# KiCad board AMC_FMC_Carrier-PcbDoc.kicad_pcb (continued)
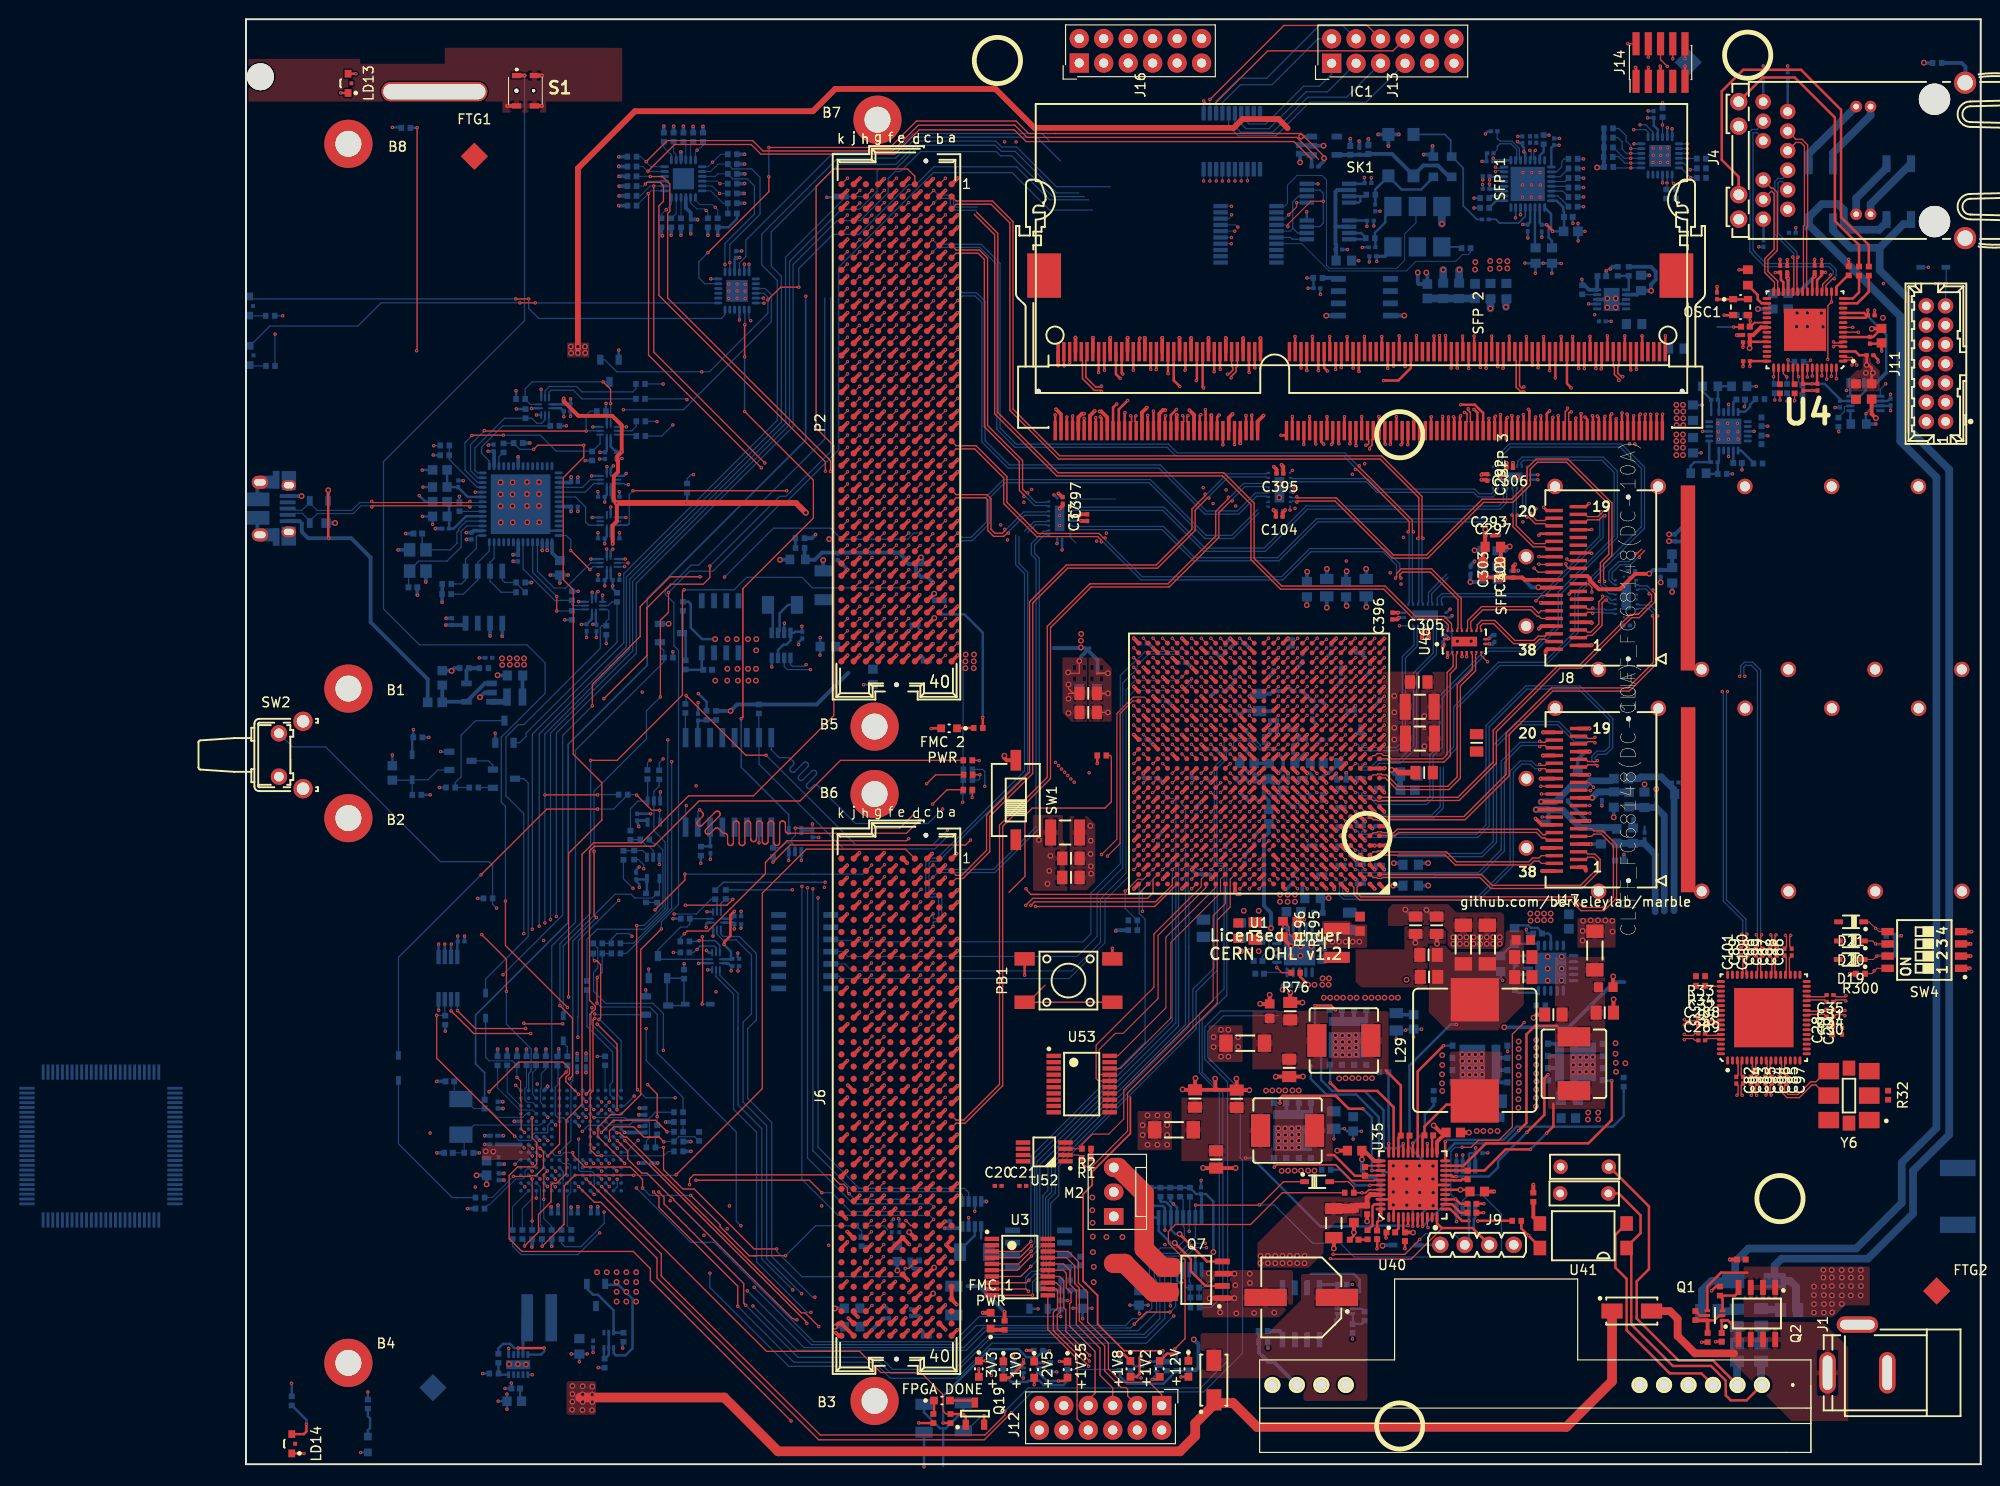
[diagram p0: board, top side]
## Routing (per net, layer and track width the routed paths; a pad name or vN(x,y) marks a point on that pad's centre or on a via; arc(x,y) is an arc through that point) (continued)
/SDRAM/DDR3_A5: length 27.9
  Top w0.11: U1.AC12 v1(107.12,82.73)
  Top w0.254: v1(113.41,105.93) 113.37,105.98 SK1.91
  In7.Cu w0.135: v1(107.12,82.73) 107.67,83.28 107.67,96.85 112.29,101.48 112.29,104.81 v1(113.41,105.93)
/SDRAM/DDR3_A6: length 36.5
  Top w0.11: U1.AB11 v1(108.12,81.73)
  Top w0.254: v1(113.07,113.66) 113.07,113.66 SK1.90
  In2.Cu w0.135: v1(108.12,81.73) 108.51,82.12 108.51,97.06 113.07,101.62 v1(113.07,113.66)
/SDRAM/DDR3_A7: length 36.6
  Top w0.11: U1.AC11 v1(108.12,82.73)
  Top w0.254: v1(112.21,113.48) 111.87,113.82 SK1.86
  In7.Cu w0.135: v1(112.21,113.48) 112.85,112.84 112.85,108.58 113.75,107.67 113.75,105.29 112.95,104.49 112.95,101.23 108.46,96.75 108.46,83.07 v1(108.12,82.73)
/SDRAM/DDR3_A8: length 25
  Top w0.11: 105.6,85.23 v1(106.1,85.73)
  Top w0.254: SK1.89 112.77,106 v1(112.63,105.87)
  In4.Cu w0.135: v1(106.1,85.73) 106.1,94.18 112.24,100.32 112.24,104.7 112.63,105.1 v1(112.63,105.87)
/SDRAM/DDR3_A9: length 26
  Top w0.11: 105.6,84.23 106.1,84.73
  Top w0.254: v1(111.82,105.9) 111.57,106.15 SK1.85
  In4.Cu w0.135: v1(106.13,84.76) 105.76,85.13 105.76,94.42 111.59,100.26 111.59,104.82 111.82,105.04 v1(111.82,105.9)
/SDRAM/DDR3_A10: length 27.5
  Top w0.11: 108.61,84.23 v1(109.11,84.73)
  Top w0.254: v1(118.22,105.9) 118.17,105.95 SK1.107
  In4.Cu w0.135: v1(109.11,84.73) 108.86,84.73 108.78,84.82 108.78,92.47 110.03,93.73 110.03,95.53 118.22,103.72 v1(118.22,105.9)
/SDRAM/DDR3_A11: length 34.2
  Top w0.11: U1.AD11 v1(108.12,83.73)
  Top w0.254: v1(111.27,113.53) 111.27,113.54 SK1.84
  In2.Cu w0.135: v1(108.12,83.73) 108.12,83.98 107.77,84.33 107.77,85.58 107.78,85.58 107.78,86.04 108,86.26 108,97.59 111.4,100.99 111.4,107.01 111.27,107.14 v1(111.27,113.53)
/SDRAM/DDR3_A12: length 28.9
  Top w0.11: U1.AA12 v1(107.12,80.73)
  Top w0.254: SK1.83 110.97,105.94 v1(111,105.91)
  In2.Cu w0.135: v1(111,105.91) 111,104.89 108.01,101.91 108.01,100.07 107.49,99.54 107.49,98.24 107.49,98.23 107.49,81.35 107.12,80.98 v1(107.12,80.73)
/SDRAM/DDR3_A13: length 27.7
  Top w0.11: 110.63,84.21 v1(111.13,84.71)
  Top w0.254: SK1.119 v1(121.77,105.92)
  In7.Cu w0.135: v1(111.13,84.71) 111.13,85.17 111.67,85.7 111.67,87.06 112.99,88.38 113,96.68 121.77,105.44 v1(121.77,105.92)
/SDRAM/DDR3_A14: length 36.4
  Top w0.11: U1.AB12 v1(107.12,81.73)
  Top w0.254: SK1.80 110.07,113.54 v1(110.08,113.53)
  In2.Cu w0.135: v1(107.12,81.73) 106.74,82.11 106.74,85.86 107.03,86.15 107.03,99.83 106.74,100.12 106.74,102.17 110.11,105.53 110.11,108.51 109.91,108.71 109.91,113.35 v1(110.08,113.53)
/SDRAM/DDR3_A15: length 34.1
  Top w0.11: U1.AD13 v1(106.12,83.73)
  Top w0.254: SK1.78 109.47,113.8 v1(109.47,113.8)
  In2.Cu w0.135: v1(106.12,83.73) 106.48,84.09 106.48,98.41 106.21,98.68 106.21,101.97 109.42,105.18 109.42,113.5 109.47,113.55 v1(109.47,113.8)
/SDRAM/DDR3_BA0: length 26.3
  Top w0.102: U1.AF10 v1(109.12,85.73)
  Top w0.254: v1(118.74,105.88) 118.77,105.91 SK1.109
  In4.Cu w0.135: v1(118.74,105.88) 118.74,103.51 110.63,95.39 110.63,92.46 109.12,90.95 v1(109.12,85.73)
/SDRAM/DDR3_BA1: length 36.3
  Top w0.11: U1.AD8 v1(111.12,83.73)
  Top w0.254: v1(118.46,113.77) 118.47,113.77 SK1.108
  In2.Cu w0.135: v1(111.12,83.73) 110.79,84.06 110.79,88.09 111.5,88.8 111.5,95.34 119.09,102.93 119.09,106.06 118.93,106.22 118.93,113.3 v1(118.46,113.77)
/SDRAM/DDR3_BA2: length 27.5
  Top w0.11: U1.AC13 v1(106.12,82.73)
  Top w0.254: v1(109.76,105.86) 109.77,105.86 SK1.79
  In4.Cu w0.135: v1(109.76,105.86) 109.76,104.51 109.88,104.39 109.88,99.3 105.34,94.76 105.34,84 106.12,83.22 v1(106.12,82.73)
/SDRAM/DDR3_DM0: length 30.9
  Top w0.11: U1.AF17 v1(101.12,85.73)
  Top w0.254: SK1.11 86.97,108.57 v1(86.97,108.58)
  In7.Cu w0.135: v1(101.12,85.73) 101.12,94.83 87.37,108.58 v1(86.97,108.58)
/SDRAM/DDR3_DM1: length 42.8
  Top w0.11: U1.W15 v1(103.12,78.73)
  Top w0.254: v1(92.07,113.57) 92.07,113.57 SK1.28
  In9.Cu w0.135: 102.78,85.9 102.78,79.07 v1(103.12,78.73) ; 102.78,85.9 102.78,92.97 96.19,99.56 96.19,110.67 93.29,113.57 v1(92.07,113.57) 92.03,113.57 ; 102.78,85.9 102.77,85.91
/SDRAM/DDR3_DM2: length 36.5
  Top w0.11: U1.AC19 v1(99.12,82.73)
  Top w0.254: SK1.46 97.47,113.59 97.41,113.53
  In2.Cu w0.135: v1(99.12,82.73) 99.46,83.07 99.46,93.33 95.12,97.68 95.12,107.05 96.16,108.09 96.16,112.3 v1(97.44,113.58)
/SDRAM/DDR3_DM3: length 27.8
  Top w0.11: U1.AA15 v1(103.12,80.73)
  Top w0.254: SK1.63 102.57,105.86 v1(102.58,105.86)
  In2.Cu w0.135: v1(103.12,80.73) 103.49,81.1 103.49,97.22 103.2,97.51 103.2,105.12 102.58,105.74 v1(102.58,105.86)
/SDRAM/DDR3_DM4: length 39.3
  Top w0.2: U1.AC3 v1(116.12,82.73)
  Top w0.254: v1(126.87,113.76) 126.87,113.76 SK1.136
  In4.Cu w0.135: v1(116.12,82.73) 116.47,83.08 116.47,85.58 118.2,87.3 118.2,93.84 119.16,94.81 119.16,97.41 128.54,106.79 128.54,112.09 v1(126.87,113.76)
/SDRAM/DDR3_DM5: length 35.8
  Top w0.2: v1(115.15,83.73) 115.12,83.73 U1.AD4
  Top w0.254: v1(132.01,108.73) 131.97,108.68 SK1.153
  In7.Cu w0.135: v1(132.01,108.73) 124.7,101.41 124.7,94.38 121.19,90.87 121.19,87.04 118.54,84.38 115.8,84.38 v1(115.15,83.73)
/SDRAM/DDR3_DM6: length 47.2
  Top w0.2: U1.W1 v1(118.12,78.73)
  Top w0.254: v1(137.5,111.74) 137.07,112.17 SK1.170
  In7.Cu w0.135: v1(118.12,78.73) 120.14,78.73 126.65,85.24 126.65,89.12 129.66,92.12 129.66,98.88 133.69,102.91 133.69,102.94 133.87,103.12 133.89,103.12 137.5,106.72 137.5,108.72 137.86,109.08 137.86,111.38 v1(137.5,111.74)
/SDRAM/DDR3_DM7: length 53.2
  Top w0.2: U1.U7 v1(112.12,76.73)
  Top w0.254: v1(142.16,108.54) 142.16,107.3 SK1.187
  In4.Cu w0.135: 140.94,105.04 137.92,102.02 137.92,99.52 134.33,95.93 131.01,95.93 129.6,94.52 129.6,87.87 127.85,86.12 127.85,84.42 123.12,79.7 122.78,79.7 120.28,77.19 118.72,77.19 118.58,77.33 118.34,77.33 118.28,77.39 113.95,77.39 113.85,77.49 113.37,77.49 112.95,77.07 112.46,77.07 v1(112.12,76.73) ; 140.94,105.04 140.99,105.1 ; 140.94,105.04 142.16,106.26 v1(142.16,108.54)
/SDRAM/DDR3_DQ0: length 30.5
  Top w0.11: U1.AF20 v1(98.12,85.73)
  Top w0.254: v1(85.18,108.7) 85.17,108.69 SK1.5
  In7.Cu w0.135: v1(98.12,85.73) 98.12,93.21 91.91,99.42 91.91,101.97 v1(85.18,108.7)
/SDRAM/DDR3_DQ1: length 30.8
  Top w0.11: U1.AF19 v1(99.12,85.73)
  Top w0.254: v1(85.77,108.82) 85.77,108.81 SK1.7
  In7.Cu w0.135: v1(85.77,108.82) 92.52,102.07 92.52,99.9 99.12,93.3 v1(99.12,85.73)
/SDRAM/DDR3_DQ2: length 31.8
  Top w0.11: U1.AE17 v1(101.12,84.73)
  Top w0.254: v1(88.17,108.65) 88.17,108.65 SK1.15
  In7.Cu w0.135: v1(88.17,108.65) 101.65,95.18 101.65,85.26 v1(101.12,84.73)
/SDRAM/DDR3_DQ3: length 32.2
  Top w0.11: U1.AE15 v1(103.12,84.73)
  Top w0.254: v1(88.64,108.73) 88.77,108.6 SK1.17
  In7.Cu w0.135: v1(103.12,84.73) 102.61,85.24 102.61,94.73 88.64,108.71 v1(88.64,108.73)
/SDRAM/DDR3_DQ4: length 47.4
  Top w0.11: U1.AD16 v1(102.12,83.73)
  Top w0.254: SK1.4 84.87,114.05 v1(84.91,114.01)
  In4.Cu w0.135: v1(102.12,83.73) 102.46,84.07 102.46,97.23 100.78,98.91 100.78,103.42 99.82,104.38 99.82,105.57 99.82,105.57 99.82,109.25 99.92,109.35 99.92,111.66 97.57,114.01 v1(84.91,114.01)
/SDRAM/DDR3_DQ5: length 47.3
  Top w0.11: U1.AD15 v1(103.12,83.73)
  Top w0.135: SK1.6 v1(85.47,114.36)
  In4.Cu w0.135: v1(103.12,83.73) 102.78,84.07 102.78,97.62 101.1,99.29 101.1,103.77 100.49,104.38 100.49,108.69 100.58,108.78 100.58,111.94 98.17,114.35 85.47,114.35 v1(85.47,114.36)
/SDRAM/DDR3_DQ6: length 36.5
  Top w0.11: U1.AF15 v1(103.12,85.73)
  Top w0.254: v1(88.47,113.34) 88.47,113.34 SK1.16
  In7.Cu w0.135: v1(88.47,113.34) 89.94,111.86 89.94,108.18 103.12,95 v1(103.12,85.73)
/SDRAM/DDR3_DQ7: length 36.7
  Top w0.11: U1.AF14 v1(104.12,85.73)
  Top w0.254: v1(89.07,113.57) 89.07,113.57 SK1.18
  In7.Cu w0.135: v1(89.07,113.57) 90.85,111.79 90.85,108.08 91.63,107.31 91.69,107.23 104.12,94.8 v1(104.12,85.73)
/SDRAM/DDR3_DQ8: length 42.3
  Top w0.11: U1.V17 v1(101.12,77.73)
  Top w0.254: SK1.21 89.97,109.68 v1(90.34,110.06)
  In9.Cu w0.135: v1(90.34,110.06) 93.6,110.06 93.81,109.85 93.81,109.17 93.94,109.05 93.94,98.1 100.78,91.26 100.78,78.07 v1(101.12,77.73)
/SDRAM/DDR3_DQ9: length 40.6
  Top w0.11: U1.Y17 v1(101.12,79.73)
  Top w0.254: SK1.23 90.57,109.51 v1(91.49,110.43)
  In9.Cu w0.135: 101.48,87.44 101.48,91.61 94.52,98.57 94.52,109.74 93.84,110.43 v1(91.49,110.43) ; 101.48,87.44 101.48,80.58 101.12,80.22 v1(101.12,79.73) ; 101.48,87.44 101.48,87.48
/SDRAM/DDR3_DQ10: length 36.5
  Top w0.11: U1.V18 v1(100.12,77.73)
  Top w0.254: SK1.33 93.57,108.87 v1(93.56,108.88)
  In9.Cu w0.135: v1(93.56,108.88) 93.56,97.82 100.46,90.91 100.46,78.07 v1(100.12,77.73)
/SDRAM/DDR3_DQ11: length 36.7
  Top w0.11: U1.V19 v1(99.12,77.73)
  Top w0.254: SK1.35 94.17,109.31 v1(94.16,109.32)
  In4.Cu w0.135: v1(99.12,77.73) 99.46,78.07 99.46,81.88 97.47,83.87 97.47,93.08 94.22,96.33 94.22,108.56 94.16,108.62 v1(94.16,109.32)
/SDRAM/DDR3_DQ12: length 44.3
  Top w0.11: v1(102.12,77.73) 102.12,77.73 U1.V16
  Top w0.254: v1(90.7,112.73) 90.27,113.16 SK1.22
  In9.Cu w0.135: v1(90.7,112.73) 92.21,112.73 94.95,109.99 94.95,98.95 101.78,92.13 101.78,78.07 v1(102.12,77.73)
/SDRAM/DDR3_DQ13: length 43.4
  Top w0.11: U1.W16 102.12,78.73 v1(102.12,78.73)
  Top w0.254: v1(90.98,113.17) 90.87,113.28 SK1.24
  In9.Cu w0.135: 102.47,86.1 102.49,86.11 ; 102.47,86.1 102.47,79.09 v1(102.12,78.73) ; 102.47,86.1 102.47,92.41 95.65,99.23 95.65,108.59 95.77,108.7 95.77,109.89 92.49,113.17 v1(90.98,113.17)
/SDRAM/DDR3_DQ14: length 46.1
  Top w0.11: U1.V14 v1(104.12,77.73)
  Top w0.254: v1(93.88,113.67) 93.87,113.67 SK1.34
  In9.Cu w0.135: 104.67,86.34 104.67,86.41 ; 104.67,86.34 104.67,93.08 97.71,100.04 97.71,105.04 99.42,106.75 99.42,109.12 99.16,109.37 99.16,110.39 95.56,113.99 94.2,113.99 v1(93.88,113.67) ; 104.67,86.34 104.67,78.28 v1(104.12,77.73)
/SDRAM/DDR3_DQ15: length 42.9
  Top w0.11: U1.W14 v1(104.12,78.73)
  Top w0.254: SK1.36 94.47,113.66 v1(94.45,113.64)
  In9.Cu w0.135: v1(94.45,113.64) 98.73,109.36 98.73,106.94 97.09,105.3 97.09,99.56 103.72,92.93 103.72,86.54 ; 103.72,86.54 103.72,86.62 ; 103.72,86.54 103.72,79.38 104.12,78.98 v1(104.12,78.73)
/SDRAM/DDR3_DQ16: length 33.1
  Top w0.11: U1.AA20 98.12,80.73 v1(98.12,80.73)
  Top w0.254: v1(95.41,108.83) 95.37,108.79 SK1.39
  In2.Cu w0.135: v1(95.41,108.83) 93.81,107.23 93.81,96.37 97.25,92.93 97.25,88.98 98.46,87.77 98.46,81.08 v1(98.12,80.73)
/SDRAM/DDR3_DQ17: length 32.1
  Top w0.11: U1.AD19 v1(99.12,83.73)
  Top w0.254: v1(96.54,109.49) 95.97,108.92 SK1.41
  In4.Cu w0.135: v1(96.54,109.49) 96.92,109.87 97.94,109.87 98.23,109.58 98.23,108.53 98.11,108.41 98.11,103.29 97.71,102.89 97.71,98.82 99.58,96.95 99.58,84.19 v1(99.12,83.73)
/SDRAM/DDR3_DQ18: length 33
  Top w0.11: U1.AB17 v1(101.12,81.73)
  Top w0.254: SK1.51 98.97,108.85 v1(99.07,108.95)
  In2.Cu w0.135: v1(99.07,108.95) 99.07,106 96.07,103 96.07,98.36 100.46,93.97 100.46,82.39 v1(101.12,81.73)
/SDRAM/DDR3_DQ19: length 32.6
  Top w0.11: U1.AC17 v1(101.12,82.73)
  Top w0.254: v1(99.55,109.47) 99.57,109.45 SK1.53
  In2.Cu w0.135: v1(101.12,82.73) 100.78,83.07 100.78,94.83 96.77,98.83 96.77,102.51 99.55,105.29 v1(99.55,109.47)
/SDRAM/DDR3_DQ20: length 37.9
  Top w0.11: U1.AA19 v1(99.12,80.73)
  Top w0.254: SK1.40 95.67,113.22 v1(95.68,113.21)
  In2.Cu w0.135: v1(99.12,80.73) 98.78,81.07 98.78,92.45 94.59,96.64 94.59,107.52 95.78,108.71 95.78,113.11 v1(95.68,113.21)
/SDRAM/DDR3_DQ21: length 38.5
  Top w0.11: U1.AB19 v1(99.12,81.73)
  Top w0.254: v1(96.9,111.88) 96.26,112.51 96.26,114.24 96.27,114.24 SK1.42
  In2.Cu w0.135: v1(99.12,81.73) 99.78,82.39 99.78,93.85 95.63,98 95.63,103.7 98.42,106.49 98.42,110.35 v1(96.9,111.88)
/SDRAM/DDR3_DQ22: length 34
  Top w0.11: U1.AD18 v1(100.12,83.73)
  Top w0.254: v1(98.6,112.49) 98.67,112.56 SK1.50
  In4.Cu w0.135: v1(100.12,83.73) 100.47,84.08 100.47,97.13 98.07,99.53 98.07,102.5 98.62,103.06 98.62,108.41 98.72,108.5 98.72,112.13 98.6,112.24 v1(98.6,112.49)
/SDRAM/DDR3_DQ23: length 35.3
  Top w0.11: U1.AC18 v1(100.12,82.73)
  Top w0.254: SK1.52 99.27,111.82 v1(99.36,111.73)
  In4.Cu w0.135: v1(99.36,111.73) 99.19,111.55 99.19,109.33 99.42,109.1 99.42,108.79 99.36,108.73 99.36,102.91 98.51,102.06 98.51,99.69 100.77,97.42 100.77,83.38 v1(100.12,82.73)
/SDRAM/DDR3_DQ24: length 34.7
  Top w0.11: U1.AA18 v1(100.12,80.73)
  Top w0.254: v1(100.97,108.92) 100.77,108.71 SK1.57
  In4.Cu w0.135: v1(100.97,108.92) 100.97,104.88 103.57,102.28 104.07,102.28 104.1,102.25 104.1,96.09 103.46,95.46 103.46,82.58 102.27,81.39 100.78,81.39 v1(100.12,80.73)
/SDRAM/DDR3_DQ25: length 29.2
  Top w0.11: U1.AB16 v1(102.12,81.73)
  Top w0.254: SK1.59 v1(101.37,105.82)
  In2.Cu w0.135: v1(102.12,81.73) 101.78,82.07 101.78,96.03 98.26,99.55 98.26,102.71 v1(101.37,105.82)
/SDRAM/DDR3_DQ26: length 30.6
  Top w0.11: U1.AA14 v1(104.12,80.73)
  Top w0.254: v1(103.76,108.87) 103.77,108.86 SK1.67
  In2.Cu w0.135: v1(103.76,108.87) 103.77,108.85 103.77,81.59 104.12,81.24 v1(104.12,80.73)
/SDRAM/DDR3_DQ27: length 27.9
  Top w0.11: U1.AD14 v1(104.12,83.73)
  Top w0.254: SK1.69 104.37,108.82 104.37,108.82 v1(104.37,108.92)
  In2.Cu w0.135: v1(104.37,108.92) 104.19,108.74 104.19,86.44 104.46,86.16 104.46,84.07 v1(104.12,83.73)
/SDRAM/DDR3_DQ28: length 36.8
  Top w0.11: U1.AB15 v1(103.12,81.73)
  Top w0.254: SK1.56 100.47,113.43 v1(100.45,113.41)
  In4.Cu w0.135: v1(100.45,113.41) 102.02,111.85 102.02,105.49 103.45,104.14 104.51,103.09 104.51,95.8 103.74,95.04 103.74,82.35 v1(103.12,81.73)
/SDRAM/DDR3_DQ29: length 38.9
  Top w0.11: U1.AA17 v1(101.12,80.73)
  Top w0.254: v1(101.1,113.67) 101.07,113.7 SK1.58
  In2.Cu w0.135: v1(101.12,80.73) 101.46,81.07 101.46,95.21 97.37,99.3 97.37,102.42 100.56,105.61 100.56,112.88 101.1,113.42 v1(101.1,113.67)
/SDRAM/DDR3_DQ30: length 34.1
  Top w0.11: U1.AC14 v1(104.12,82.73)
  Top w0.254: v1(104.1,113.34) 104.07,113.37 SK1.68
  In2.Cu w0.135: v1(104.1,113.34) 104.76,112.68 104.76,86.67 104.85,86.58 104.85,83.46 v1(104.12,82.73)
/SDRAM/DDR3_DQ31: length 35.1
  Top w0.11: U1.AB14 v1(104.12,81.73)
  Top w0.254: SK1.70 104.67,113.82 v1(104.68,113.81)
  In2.Cu w0.135: v1(104.68,113.81) 105.19,113.3 105.19,82.8 v1(104.12,81.73)
/SDRAM/DDR3_DQ32: length 32.2
  Top w0.2: U1.AD6 v1(113.12,83.73)
  Top w0.254: SK1.129 124.77,108.71 v1(124.77,108.72)
  In4.Cu w0.135: v1(124.77,108.72) 124.77,106.82 114.74,96.78 114.74,91.11 113.01,89.39 113.01,86.34 112.78,86.1 112.78,84.07 v1(113.12,83.73)
/SDRAM/DDR3_DQ33: length 34.2
  Top w0.2: U1.AB6 v1(113.12,81.73)
  Top w0.254: v1(125.29,108.73) 125.37,108.66 SK1.131
  In4.Cu w0.135: v1(113.12,81.73) 113.47,82.08 113.47,89.32 115.26,91.11 115.26,96.66 125.29,106.69 v1(125.29,108.73)
/SDRAM/DDR3_DQ34: length 40.8
  Top w0.2: U1.Y6 v1(113.12,79.73)
  Top w0.254: SK1.141 128.37,109.12 127.51,109.99 v1(126.04,109.99)
  In4.Cu w0.135: v1(126.04,109.99) 125.64,109.58 125.64,106.34 115.76,96.46 115.76,89.74 114.67,88.65 113.75,87.71 113.75,84.87 113.73,84.85 113.73,80.34 v1(113.12,79.73)
/SDRAM/DDR3_DQ35: length 33.8
  Top w0.2: v1(115.15,82.73) 115.12,82.73 U1.AC4
  Top w0.254: SK1.143 128.97,108.56 v1(128.97,108.56)
  In7.Cu w0.135: v1(128.97,108.56) 128.93,108.52 128.93,107.03 123.62,101.72 123.62,93.98 119.21,89.57 119.21,88.31 115.92,85.02 115.92,85.01 114.8,83.89 114.8,83.08 v1(115.15,82.73)
/SDRAM/DDR3_DQ36: length 39
  Top w0.24: U1.AC6 v1(113.12,82.73)
  Top w0.254: v1(125.04,113.8) 125.07,113.82 SK1.130
  In4.Cu w0.135: v1(113.12,82.73) 112.46,83.39 112.46,88.54 112.67,88.74 112.66,89.72 113.7,90.76 113.7,96.56 123.68,106.54 123.68,109.87 125.04,111.23 v1(125.04,113.8)
/SDRAM/DDR3_DQ37: length 40.8
  Top w0.2: U1.AB4 115.2,81.81 v1(115.2,81.84)
  Top w0.254: v1(125.69,113.8) 125.67,113.82 SK1.132
  In4.Cu w0.135: v1(115.2,81.84) 115.78,82.42 115.78,85.94 117.69,87.85 117.69,94.16 118.75,95.23 118.75,97.51 127.98,106.74 127.98,111.51 v1(125.69,113.8)
/SDRAM/DDR3_DQ38: length 41.9
  Top w0.2: U1.AA4 v1(115.12,80.73)
  Top w0.254: v1(128.08,113.86) 128.07,113.87 SK1.140
  In4.Cu w0.135: v1(128.08,113.86) 129.23,112.7 129.23,108.86 129.31,108.78 129.31,108.63 129.35,108.59 129.35,106.85 123.41,100.91 123.41,93.95 118.79,89.33 118.79,86.89 116.78,84.88 116.78,82.9 115.12,81.24 v1(115.12,80.73)
/SDRAM/DDR3_DQ39: length 44.4
  Top w0.2: U1.Y5 v1(114.12,79.73)
  Top w0.254: v1(128.67,113.77) 128.67,113.78 SK1.142
  In4.Cu w0.135: v1(114.12,79.73) 114.63,79.73 117.66,82.76 117.66,84.78 118.15,85.27 118.17,85.27 119.17,86.27 119.17,89.04 124.09,93.96 124.09,101.01 130.54,107.46 130.54,111.9 v1(128.67,113.77)
/SDRAM/DDR3_DQ40: length 31
  Top w0.2: U1.AF2 v1(117.12,85.73)
  Top w0.254: SK1.147 130.17,108.95 v1(130.17,108.96)
  In2.Cu w0.135: v1(117.12,85.73) 117.12,87.2 124.9,94.99 124.9,103.44 130.17,108.71 v1(130.17,108.96)
/SDRAM/DDR3_DQ41: length 31.8
  Top w0.2: U1.AE2 v1(117.12,84.73)
  Top w0.254: SK1.149 130.77,108.55 130.88,108.66 v1(130.9,108.66)
  In2.Cu w0.135: v1(130.9,108.66) 125.42,103.19 125.42,94.94 117.46,86.98 117.46,85.07 v1(117.12,84.73)
/SDRAM/DDR3_DQ42: length 34.7
  Top w0.2: U1.AE1 v1(118.12,84.73)
  Top w0.254: SK1.157 133.17,109.39 v1(133.06,109.5)
  In4.Cu w0.135: v1(118.12,84.73) 119.53,84.73 120.67,85.87 120.67,87.44 124.56,91.33 124.56,100.38 133.06,108.88 v1(133.06,109.5)
/SDRAM/DDR3_DQ43: length 34.5
  Top w0.2: U1.AD1 v1(118.12,83.73)
  Top w0.254: v1(133.8,108.7) 133.77,108.67 SK1.159
  In4.Cu w0.135: v1(133.8,108.7) 130.06,104.96 129.93,104.96 125.04,100.07 125.04,91 121.21,87.16 121.21,85.37 119.74,83.91 118.29,83.91 v1(118.12,83.73)
/SDRAM/DDR3_DQ44: length 38
  Top w0.2: U1.AE5 114.08,84.69 v1(114.08,84.73)
  Top w0.254: v1(129.88,113.93) 129.87,113.95 SK1.146
  In2.Cu w0.135: v1(114.08,84.73) 114.63,85.28 114.63,88.06 117.42,90.86 117.42,94.01 118.25,94.84 118.25,98.74 127.61,108.09 127.61,108.64 127.77,108.8 127.77,111.83 v1(129.88,113.93)
/SDRAM/DDR3_DQ45: length 39.3
  Top w0.2: U1.AE6 v1(113.12,84.73)
  Top w0.254: SK1.148 130.47,113.81 v1(130.43,113.77)
  In7.Cu w0.135: v1(130.43,113.77) 130.25,113.59 129.14,113.59 125.64,110.09 125.64,108.57 117.04,99.96 117.04,91.24 113.47,87.67 113.47,85.08 v1(113.12,84.73)
/SDRAM/DDR3_DQ46: length 37.9
  Top w0.2: U1.AF3 v1(116.12,85.73)
  Top w0.254: v1(133.46,114.07) 133.47,114.08 SK1.158
  In2.Cu w0.135: v1(116.12,85.73) 116.12,87.64 118.32,89.84 118.32,93.53 119.15,94.35 119.15,99.08 127.97,107.9 127.97,108.4 128.17,108.6 128.17,109.2 133.04,114.07 v1(133.46,114.07)
/SDRAM/DDR3_DQ47: length 39.3
  Top w0.2: v1(116.13,84.73) 116.11,84.73 U1.AE3
  Top w0.254: SK1.160 134.07,113.82 v1(134.07,113.82)
  In2.Cu w0.135: v1(134.07,113.82) 133.89,113.64 133.39,113.64 128.61,108.86 128.61,107.95 124.28,103.62 124.28,95.1 118.13,88.95 118.03,88.95 116.58,87.51 116.58,85.18 v1(116.13,84.73)
/SDRAM/DDR3_DQ48: length 42.9
  Top w0.2: U1.AA3 v1(116.12,80.73)
  Top w0.254: SK1.163 134.97,109.04 v1(135.26,109.34)
  In4.Cu w0.135: v1(135.26,109.34) 135.09,109.16 135.09,105.01 132.09,102.01 131.24,102.01 126.84,97.62 126.84,92.76 127.51,92.1 127.51,89.71 123.42,85.61 123.42,83.94 120.56,81.08 116.47,81.08 v1(116.12,80.73)
  In7.Cu w0.112: v1(116.12,80.73) 116.12,80.75
/SDRAM/DDR3_DQ49: length 38
  Top w0.24: U1.AC2 v1(117.12,82.73)
  Top w0.254: v1(135.61,108.68) 135.57,108.64 SK1.165
  In7.Cu w0.135: v1(117.12,82.73) 117.47,83.08 120.64,83.08 123.76,86.2 123.76,90.22 126.86,93.32 126.86,100.28 130.39,103.81 130.39,104.14 134.92,108.68 v1(135.61,108.68)
/SDRAM/DDR3_DQ50: length 45.1
  Top w0.2: U1.V2 v1(117.12,77.73)
  Top w0.254: SK1.175 138.53,107.33 v1(138.53,109.07)
  In2.Cu w0.135: 134.83,97.78 134.83,97.98 ; 134.83,97.78 134.83,86.54 127.73,79.44 122.12,79.48 121.21,78.57 118.97,78.57 118.48,78.07 117.46,78.07 v1(117.12,77.73) ; 134.83,97.78 134.83,98.19 138.54,101.89 138.54,105.99
/SDRAM/DDR3_DQ51: length 44.1
  Top w0.2: U1.V1 v1(118.12,77.73)
  Top w0.254: v1(138.94,108.7) 139.17,108.47 SK1.177
  In2.Cu w0.135: 139.18,105.67 139.18,101.65 135.24,97.72 135.24,86.05 127.78,78.59 121.84,78.59 120.84,77.59 118.71,77.59 118.57,77.73 v1(118.12,77.73)
/SDRAM/DDR3_DQ52: length 43.7
  Top w0.2: U1.AB2 v1(117.12,81.73)
  Top w0.254: SK1.164 135.27,113.53 v1(135.26,113.53)
  In4.Cu w0.135: v1(135.26,113.53) 134.72,112.98 134.72,108.41 130.67,104.36 130.6,104.36 130.39,104.14 130.39,103.33 126.12,99.06 126.12,91.02 123.83,88.74 123.83,86.97 122.5,85.64 122.5,84.65 119.91,82.06 119.23,82.06 ; 119.23,82.06 117.45,82.06 v1(117.12,81.73) ; 119.23,82.06 119.47,82.06
/SDRAM/DDR3_DQ53: length 48.2
  Top w0.2: U1.Y3 v1(116.12,79.73)
  Top w0.254: v1(135.86,112.77) 135.87,112.77 SK1.166
  In4.Cu w0.135: v1(116.12,79.73) 116.62,80.23 118.56,80.23 118.77,80.43 120.39,80.43 123.71,83.75 123.71,85.25 127.98,89.51 127.98,97.79 131.63,101.45 132.19,101.45 133.88,103.14 134.3,103.14 136.93,105.78 136.93,109.13 135.86,110.2 v1(135.86,112.77)
/SDRAM/DDR3_DQ54: length 46.3
  Top w0.2: U1.Y2 v1(117.12,79.73)
  Top w0.254: SK1.174 138.27,113.75 v1(138.27,113.74)
  In2.Cu w0.135: v1(138.27,113.74) 138.1,113.57 138.1,108.99 138.34,108.75 138.34,108.44 138.32,108.41 138.32,107.81 133.89,103.38 133.78,103.38 133.45,103.05 133.45,102.94 129.56,99.05 129.56,91.35 123.54,85.33 123.54,84.72 119.91,81.09 118.97,81.09 117.61,79.73 v1(117.12,79.73)
/SDRAM/DDR3_DQ55: length 46.7
  Top w0.2: U1.Y1 v1(118.12,79.73)
  Top w0.254: v1(138.87,113.73) 138.87,113.74 SK1.176
  In2.Cu w0.135: v1(118.12,79.73) 118.12,79.86 118.91,80.65 119.8,80.65 ; v1(138.87,113.73) 139.28,113.32 139.28,108.17 134.25,103.14 133.88,103.14 133.69,102.95 133.69,102.58 130.38,99.27 130.38,98.28 130.35,98.25 130.35,97.92 130.38,97.89 130.38,91 130.11,90.73 128.94,89.58 125.13,85.77 125.13,85.27 120.51,80.65 119.8,80.65 ; 119.8,80.65 119.89,80.65
/SDRAM/DDR3_DQ56: length 45.3
  Top w0.2: U1.W3 v1(116.12,78.73)
  Top w0.254: v1(140.22,108.8) 140.37,108.65 SK1.181
  In4.Cu w0.135: v1(140.22,108.8) 139.98,108.56 139.98,107.23 133.78,101.03 132.06,101.03 129.98,98.95 129.98,97.73 128.28,96.02 128.28,88.71 125.23,85.66 125.23,85.37 124.32,84.46 124.32,83.57 119.82,79.07 116.46,79.07 v1(116.12,78.73)
/SDRAM/DDR3_DQ57: length 49.6
  Top w0.2: U1.V4 v1(115.12,77.73)
  Top w0.254: v1(141.01,108.78) 140.97,108.74 SK1.183
  In4.Cu w0.135: v1(115.12,77.73) 115.37,77.73 115.71,78.07 118.29,78.07 118.77,77.59 120.09,77.59 122.69,80.19 122.98,80.19 125.75,82.96 125.75,83.75 125.84,83.83 125.84,84 126.81,84.97 127.35,84.97 127.61,85.23 127.61,86.48 129.11,87.98 129.11,94.84 130.71,96.45 133.66,96.45 137.49,100.27 137.49,102.6 141.01,106.12 v1(141.01,108.78)
/SDRAM/DDR3_DQ58: length 48.1
  Top w0.2: U1.U2 v1(117.12,76.73)
  Top w0.254: SK1.191 143.37,108.94 v1(143.3,109.01)
  In2.Cu w0.135: v1(117.12,76.73) 117.67,77.28 120.98,77.28 121.83,78.13 127.95,78.13 136.06,86.25 136.06,98.18 143.56,105.67 v1(143.56,105.92)
/SDRAM/DDR3_DQ59: length 48
  Top w0.2: U1.U1 v1(118.12,76.73)
  Top w0.254: v1(143.99,108.83) 143.97,108.81 SK1.193
  In2.Cu w0.135: v1(118.12,76.73) 118.32,76.93 128.18,76.93 136.57,85.32 136.57,98.12 144.12,105.67 v1(144.12,105.92)
/SDRAM/DDR3_DQ60: length 56
  Top w0.2: U1.V6 v1(113.12,77.73)
  Top w0.254: v1(140.07,113.74) 140.07,113.75 SK1.180
  In4.Cu w0.135: v1(113.12,77.73) 113.78,78.39 118.8,78.39 119,78.58 120.44,78.58 122.39,80.52 122.65,80.52 125.4,83.26 125.4,84.23 126.65,85.49 126.65,86.12 128.69,88.15 128.69,95.65 129.81,96.78 133.23,96.78 136.97,100.52 136.97,102.88 140.38,106.29 140.38,108.46 140.58,108.65 140.58,113.23 v1(140.07,113.74)
/SDRAM/DDR3_DQ61: length 51.1
  Top w0.2: U1.V3 v1(116.12,77.73)
  Top w0.254: v1(140.62,113.71) 140.67,113.75 SK1.182
  In4.Cu w0.135: v1(140.62,113.71) 140.66,113.81
  In7.Cu w0.135: v1(116.12,77.73) 116.12,78.24 117.08,79.2 119.28,79.2 125.23,85.15 125.23,87.66 125.64,88.06 125.64,89.23 128.12,91.72 128.12,99.42 136.76,108.06 136.76,109.77 136.81,109.83 136.81,111.74 138.26,113.19 140.1,113.19 v1(140.62,113.71)
/SDRAM/DDR3_DQ62: length 57.4
  Top w0.2: U1.U6 v1(113.12,76.73)
  Top w0.254: v1(143.68,113.59) 143.67,113.61 SK1.192
  In4.Cu w0.135: v1(113.12,76.73) 113.48,77.09 118.36,77.09 118.54,76.91 120.67,76.91 122.29,78.53 123.26,78.53 130.65,85.92 130.65,90.54 134,93.89 134.32,93.89 138.6,98.18 138.6,101.82 142.62,105.83 142.62,107.75 143.65,108.78 143.65,108.99 143.68,109.03 v1(143.68,113.59)
/SDRAM/DDR3_DQ63: length 57.7
  Top w0.2: U1.U5 v1(114.12,76.73)
  Top w0.254: SK1.194 144.27,113.67 v1(144.28,113.66)
  In4.Cu w0.135: v1(144.28,113.66) 144.28,109.05 144.33,108.99 144.33,108.66 143.2,107.53 143.2,105.57 139.01,101.37 139.01,97.78 131.34,90.12 131.34,85.31 123.11,77.07 122.43,77.07 121.33,75.97 118.92,75.97 118.56,76.34 114.51,76.34 v1(114.12,76.73)
/SDRAM/PGOOD: length 1.6
  Bottom w0.127: U31.9 138.7,121.41 R29.2
/THERM: length 174.6
  In2.Cu w0.127: v1(52.37,118.71) 52.37,107.61 45.08,100.32 45.08,49.3 48.13,46.26 v1(48.13,19.83) ; v1(97.86,24.17) 97.84,24.17 97.1,23.43 96.6,23.43 96.57,23.46 96.16,23.46 95.9,23.2 95.9,17.68 96.26,17.31 v1(96.26,15.38)
  Bottom w0.127: v1(96.26,15.38) 96.24,15.38 93.42,12.56 77.39,12.56 73.75,8.92 66.86,8.92 65.62,10.16 56.32,10.16 48.13,18.35 v1(48.13,19.83) ; v1(52.37,118.71) 52.2,118.88 U39.7 ; v1(97.86,24.17) 97.88,24.18 U27.6 97.94,25.66 R130.2 97.88,27.7
